# KiCad board ciaa_acc.kicad_pcb (continued)
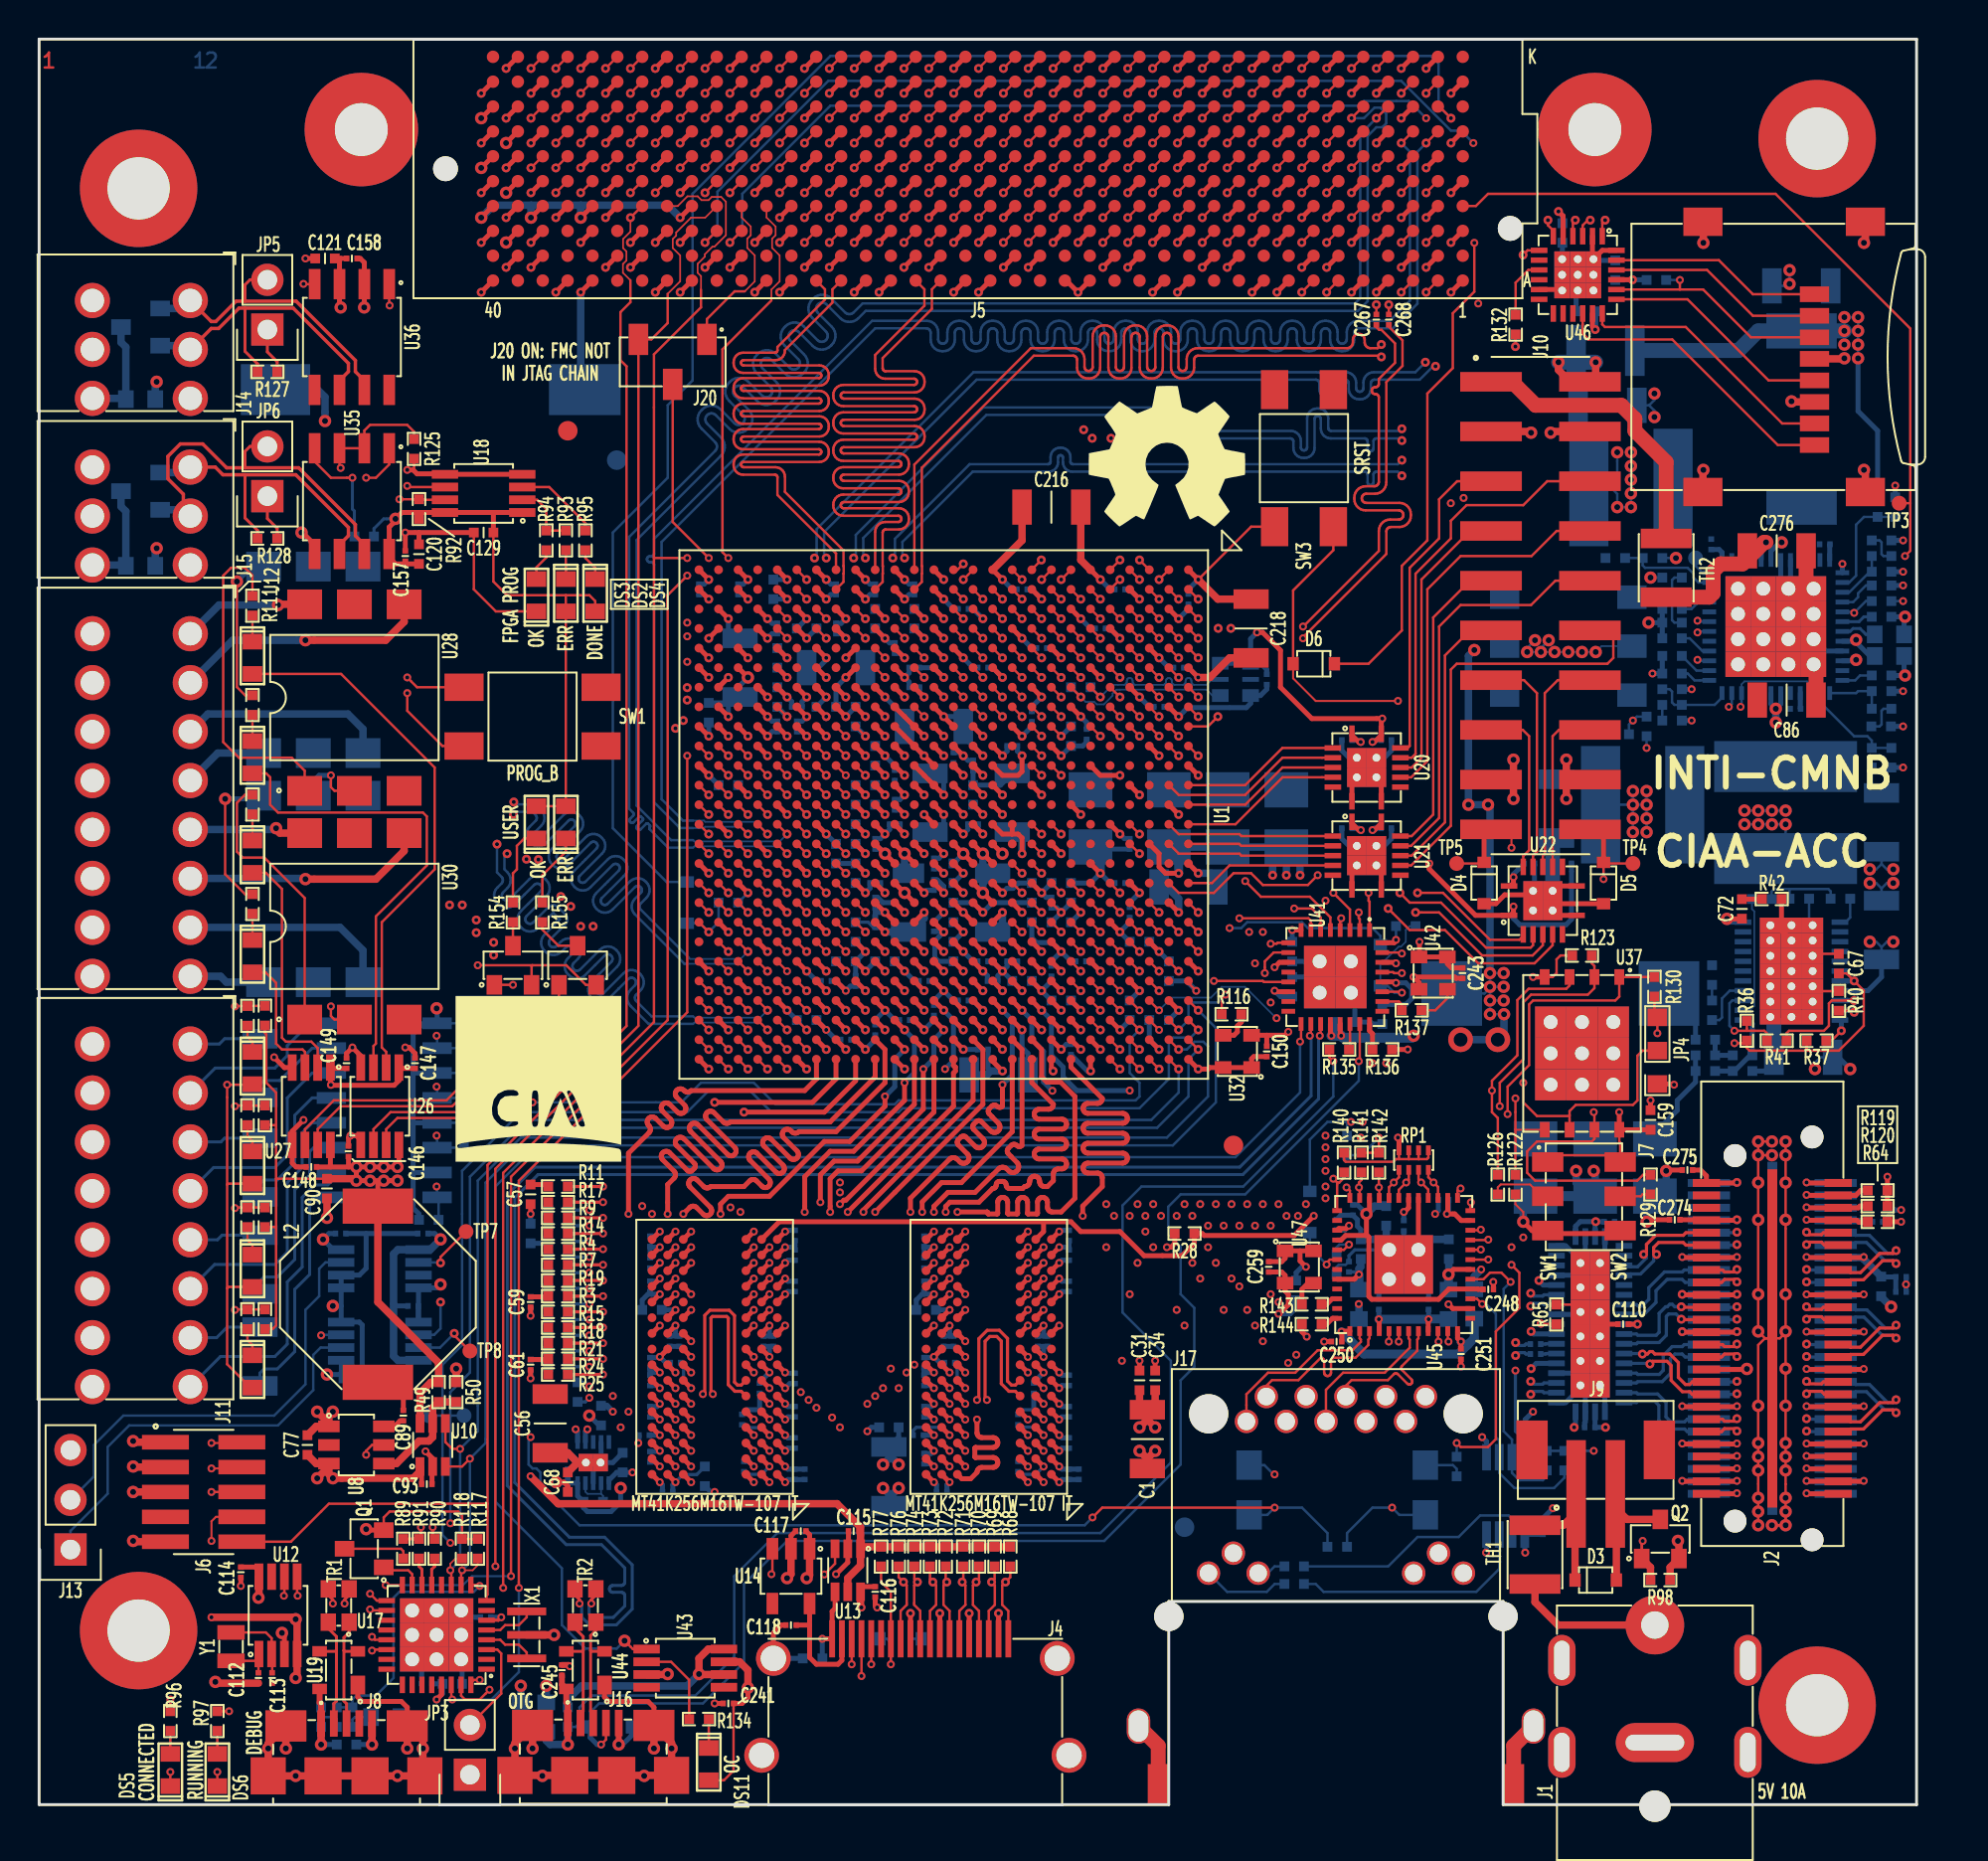
[diagram p0: board, top side]
## Nets (continued)
/Principal/BANKS_HP/FMC_HA_5_P: J5.E6 U1.J11
/Principal/BANKS_HP/FMC_HA_6_N: J5.K11 U1.D8
/Principal/BANKS_HP/FMC_HA_6_P: J5.K10 U1.D9
/Principal/BANKS_HP/FMC_HA_7_N: J5.J10 U1.H8
/Principal/BANKS_HP/FMC_HA_7_P: J5.J9 U1.J8
/Principal/BANKS_HP/FMC_HA_8_N: J5.F11 U1.B9
/Principal/BANKS_HP/FMC_HA_8_P: J5.F10 U1.C9
/Principal/BANKS_HP/FMC_HA_9_N: J5.E10 U1.A10
/Principal/BANKS_HP/FMC_HA_9_P: J5.E9 U1.B10
/Principal/BANKS_HP/FMC_HA_10_N: J5.K14 U1.A7
/Principal/BANKS_HP/FMC_HA_10_P: J5.K13 U1.B7
/Principal/BANKS_HP/FMC_HA_11_N: J5.J13 U1.E8
/Principal/BANKS_HP/FMC_HA_11_P: J5.J12 U1.F9
/Principal/BANKS_HP/FMC_HA_12_N: J5.F14 U1.A8
/Principal/BANKS_HP/FMC_HA_12_P: J5.F13 U1.A9
/Principal/BANKS_HP/FMC_HA_13_N: J5.E13 U1.J9
/Principal/BANKS_HP/FMC_HA_13_P: J5.E12 U1.J10
/Principal/BANKS_HP/FMC_HA_14_N: J5.J16 U1.A5
/Principal/BANKS_HP/FMC_HA_14_P: J5.J15 U1.B6
/Principal/BANKS_HP/FMC_HA_15_N: J5.F17 U1.L8
/Principal/BANKS_HP/FMC_HA_15_P: J5.F16 U1.M8
/Principal/BANKS_HP/FMC_HA_16_N: J5.E16 U1.K7
/Principal/BANKS_HP/FMC_HA_16_P: J5.E15 U1.K8
/Principal/BANKS_HP/FMC_HA_17_N: J5.K17 U1.L4
/Principal/BANKS_HP/FMC_HA_17_P: J5.K16 U1.L5
/Principal/BANKS_HP/FMC_HA_18_N: J5.J19 U1.B4
/Principal/BANKS_HP/FMC_HA_18_P: J5.J18 U1.B5
/Principal/BANKS_HP/FMC_HA_19_N: J5.F20 U1.A3
/Principal/BANKS_HP/FMC_HA_19_P: J5.F19 U1.A4
/Principal/BANKS_HP/FMC_HA_20_N: J5.E19 U1.A2
/Principal/BANKS_HP/FMC_HA_20_P: J5.E18 U1.B2
/Principal/BANKS_HP/FMC_HA_21_N: J5.K20 U1.C3
/Principal/BANKS_HP/FMC_HA_21_P: J5.K19 U1.C4
/Principal/BANKS_HP/FMC_HA_22_N: J5.J22 U1.D3
/Principal/BANKS_HP/FMC_HA_22_P: J5.J21 U1.D4
/Principal/BANKS_HP/FMC_HA_23_N: J5.K23 U1.D5
/Principal/BANKS_HP/FMC_HA_23_P: J5.K22 U1.E6
/Principal/BANKS_HP/FMC_HB_0_N: J5.K26 U1.E7
/Principal/BANKS_HP/FMC_HB_0_P: J5.K25 U1.F8
/Principal/BANKS_HP/FMC_HB_1_N: J5.J25 U1.E5
/Principal/BANKS_HP/FMC_HB_1_P: J5.J24 U1.F5
/Principal/BANKS_HP/FMC_HB_2_N: J5.F23 U1.C1
/Principal/BANKS_HP/FMC_HB_2_P: J5.F22 U1.D1
/Principal/BANKS_HP/FMC_HB_3_N: J5.E22 U1.B1
/Principal/BANKS_HP/FMC_HB_3_P: J5.E21 U1.C2
/Principal/BANKS_HP/FMC_HB_4_N: J5.F26 U1.G5
/Principal/BANKS_HP/FMC_HB_4_P: J5.F25 U1.G6
/Principal/BANKS_HP/FMC_HB_5_N: J5.E25 U1.E3
/Principal/BANKS_HP/FMC_HB_5_P: J5.E24 U1.F3
/Principal/BANKS_HP/FMC_HB_6_N: J5.K29 U1.J3
/Principal/BANKS_HP/FMC_HB_6_P: J5.K28 U1.J4
/Principal/BANKS_HP/FMC_HB_7_N: J5.J28 U1.H6
/Principal/BANKS_HP/FMC_HB_7_P: J5.J27 U1.H7
/Principal/BANKS_HP/FMC_HB_8_N: J5.F29 U1.G1
/Principal/BANKS_HP/FMC_HB_8_P: J5.F28 U1.H2
/Principal/BANKS_HP/FMC_HB_9_N: J5.E28 U1.H3
/Principal/BANKS_HP/FMC_HB_9_P: J5.E27 U1.H4
/Principal/BANKS_HP/FMC_HB_10_N: J5.K32 U1.L7
/Principal/BANKS_HP/FMC_HB_10_P: J5.K31 U1.M7
/Principal/BANKS_HP/FMC_HB_11_N: J5.J31 U1.J6
/Principal/BANKS_HP/FMC_HB_11_P: J5.J30 U1.K6
/Principal/BANKS_HP/FMC_HB_12_N: J5.F32 U1.K1
/Principal/BANKS_HP/FMC_HB_12_P: J5.F31 U1.K2
/Principal/BANKS_HP/FMC_HB_13_N: J5.E31 U1.H1
/Principal/BANKS_HP/FMC_HB_13_P: J5.E30 U1.J1
/Principal/BANKS_HP/FMC_HB_14_N: J5.K35 U1.N2
/Principal/BANKS_HP/FMC_HB_14_P: J5.K34 U1.N3
/Principal/BANKS_HP/FMC_HB_15_N: J5.J34 U1.L2
/Principal/BANKS_HP/FMC_HB_15_P: J5.J33 U1.M2
/Principal/BANKS_HP/FMC_HB_16_N: J5.F35 U1.J5
/Principal/BANKS_HP/FMC_HB_16_P: J5.F34 U1.K5
/Principal/BANKS_HP/FMC_HB_17_N: J5.K38 U1.M5
/Principal/BANKS_HP/FMC_HB_17_P: J5.K37 U1.M6
/Principal/BANKS_HP/FMC_HB_18_N: J5.J37 U1.M4
/Principal/BANKS_HP/FMC_HB_18_P: J5.J36 U1.N4
/Principal/BANKS_HP/FMC_HB_19_N: J5.E34 U1.K3
/Principal/BANKS_HP/FMC_HB_19_P: J5.E33 U1.L3
/Principal/BANKS_HP/FMC_HB_20_N: J5.F38 U1.N6
/Principal/BANKS_HP/FMC_HB_20_P: J5.F37 U1.N7
/Principal/BANKS_HP/FMC_HB_21_N: J5.E37 U1.M1
/Principal/BANKS_HP/FMC_HB_21_P: J5.E36 U1.N1
/Principal/BANKS_HP/GPIO0: U1.A12 U20.2
/Principal/BANKS_HP/GPIO1: U1.B12 U20.3
/Principal/BANKS_HP/GPIO2: U1.A13 U20.4
/Principal/BANKS_HP/GPIO3: U1.A14 U20.5
/Principal/BANKS_HP/GPIO4: U1.B14 U21.2
/Principal/BANKS_HP/GPIO5: U1.A15 U21.3
/Principal/BANKS_HP/GPIO6: U1.B15 U21.4
/Principal/BANKS_HP/GPIO7: U1.A17 U21.5
/Principal/BANKS_HP/SYSCLK_N: R153.1 U1.F7 U49.5
/Principal/BANKS_HP/SYSCLK_P: R153.2 U1.G7 U49.4
/Principal/BANKS_HP/VADJ_EN: R43.1 U1.J15
/Principal/BANKS_HR/CAN_RX: U1.AE22 U36.4
/Principal/BANKS_HR/CAN_TX: U1.AF22 U36.1
/Principal/BANKS_HR/DIN0: C138.2 R103.2 R107.1 U1.AD24 U23.10
/Principal/BANKS_HR/DIN1: C139.2 R104.2 R108.1 U1.AF25 U23.12
/Principal/BANKS_HR/DIN2: C140.2 R105.2 R109.1 U1.AD23 U23.14
/Principal/BANKS_HR/DIN3: C141.2 R106.2 R110.1 U1.AF24 U23.16
/Principal/BANKS_HR/DOUT0: U1.AD26 U26.7
/Principal/BANKS_HR/DOUT1: U1.AE26 U26.6
/Principal/BANKS_HR/DOUT2: U1.AD25 U27.7
/Principal/BANKS_HR/DOUT3: U1.AE25 U27.6
/Principal/BANKS_HR/FMC_CLK0_C2M_N: J5.G3 U1.AD14
/Principal/BANKS_HR/FMC_CLK0_C2M_P: J5.G2 U1.AC14
/Principal/BANKS_HR/FMC_CLK0_M2C_N: J5.H5 U1.AB14
/Principal/BANKS_HR/FMC_CLK0_M2C_P: J5.H4 U1.AB15
/Principal/BANKS_HR/FMC_LA_0_N: J5.G7 U1.AD11
/Principal/BANKS_HR/FMC_LA_0_P: J5.G6 U1.AC12
/Principal/BANKS_HR/FMC_LA_1_N: J5.D9 U1.AD13
/Principal/BANKS_HR/FMC_LA_1_P: J5.D8 U1.AC13
/Principal/BANKS_HR/FMC_LA_2_N: J5.H8 U1.AA10
/Principal/BANKS_HR/FMC_LA_2_P: J5.H7 U1.Y10
/Principal/BANKS_HR/FMC_LA_3_N: J5.G10 U1.AB10
/Principal/BANKS_HR/FMC_LA_3_P: J5.G9 U1.AB11
/Principal/BANKS_HR/FMC_LA_4_N: J5.H11 U1.Y11
/Principal/BANKS_HR/FMC_LA_4_P: J5.H10 U1.Y12
/Principal/BANKS_HR/FMC_LA_5_N: J5.D12 U1.AF10
/Principal/BANKS_HR/FMC_LA_5_P: J5.D11 U1.AE11
/Principal/BANKS_HR/FMC_LA_6_N: J5.C11 U1.AD10
/Principal/BANKS_HR/FMC_LA_6_P: J5.C10 U1.AE10
/Principal/BANKS_HR/FMC_LA_7_N: J5.H14 U1.Y13
/Principal/BANKS_HR/FMC_LA_7_P: J5.H13 U1.W13
/Principal/BANKS_HR/FMC_LA_8_N: J5.G13 U1.AA12
/Principal/BANKS_HR/FMC_LA_8_P: J5.G12 U1.AA13
/Principal/BANKS_HR/FMC_LA_9_N: J5.D15 U1.AC11
/Principal/BANKS_HR/FMC_LA_9_P: J5.D14 U1.AB12
/Principal/BANKS_HR/FMC_LA_10_N: J5.C15 U1.AA14
/Principal/BANKS_HR/FMC_LA_10_P: J5.C14 U1.AA15
/Principal/BANKS_HR/FMC_LA_11_N: J5.H17 U1.AA17
/Principal/BANKS_HR/FMC_LA_11_P: J5.H16 U1.Y17
/Principal/BANKS_HR/FMC_LA_12_N: J5.G16 U1.W15
/Principal/BANKS_HR/FMC_LA_12_P: J5.G15 U1.W16
/Principal/BANKS_HR/FMC_LA_13_N: J5.D18 U1.AF12
/Principal/BANKS_HR/FMC_LA_13_P: J5.D17 U1.AE12
/Principal/BANKS_HR/FMC_LA_14_N: J5.C19 U1.AF13
/Principal/BANKS_HR/FMC_LA_14_P: J5.C18 U1.AE13
/Principal/BANKS_HR/FMC_LA_15_N: J5.H20 U1.W19
/Principal/BANKS_HR/FMC_LA_15_P: J5.H19 U1.W18
/Principal/BANKS_HR/FMC_LA_16_N: J5.G19 U1.AA18
/Principal/BANKS_HR/FMC_LA_16_P: J5.G18 U1.Y18
/Principal/BANKS_HR/FMC_LA_17_N: J5.D21 U1.AD21
/Principal/BANKS_HR/FMC_LA_17_P: J5.D20 U1.AD20
/Principal/BANKS_HR/FMC_LA_18_N: J5.C23 U1.AC24
/Principal/BANKS_HR/FMC_LA_18_P: J5.C22 U1.AC23
/Principal/BANKS_HR/FMC_LA_19_N: J5.H23 U1.Y15
/Principal/BANKS_HR/FMC_LA_19_P: J5.H22 U1.Y16
/Principal/BANKS_HR/FMC_LA_20_N: J5.G22 U1.AF14
/Principal/BANKS_HR/FMC_LA_20_P: J5.G21 U1.AF15
/Principal/BANKS_HR/FMC_LA_21_N: J5.H26 U1.AE21
/Principal/BANKS_HR/FMC_LA_21_P: J5.H25 U1.AE20
/Principal/BANKS_HR/FMC_LA_22_N: J5.G25 U1.Y20
/Principal/BANKS_HR/FMC_LA_22_P: J5.G24 U1.W20
/Principal/BANKS_HR/FMC_LA_23_N: J5.D24 U1.AB16
/Principal/BANKS_HR/FMC_LA_23_P: J5.D23 U1.AB17
/Principal/BANKS_HR/FMC_LA_24_N: J5.H29 U1.AB19
/Principal/BANKS_HR/FMC_LA_24_P: J5.H28 U1.AA19
/Principal/BANKS_HR/FMC_LA_25_N: J5.G28 U1.AC16
/Principal/BANKS_HR/FMC_LA_25_P: J5.G27 U1.AC17
/Principal/BANKS_HR/FMC_LA_26_N: J5.D27 U1.AC22
/Principal/BANKS_HR/FMC_LA_26_P: J5.D26 U1.AC21
/Principal/BANKS_HR/FMC_LA_27_N: J5.C27 U1.AF18
/Principal/BANKS_HR/FMC_LA_27_P: J5.C26 U1.AE18
/Principal/BANKS_HR/FMC_LA_28_N: J5.H32 U1.AE15
/Principal/BANKS_HR/FMC_LA_28_P: J5.H31 U1.AE16
/Principal/BANKS_HR/FMC_LA_29_N: J5.G31 U1.AB20
/Principal/BANKS_HR/FMC_LA_29_P: J5.G30 U1.AA20
/Principal/BANKS_HR/FMC_LA_30_N: J5.H35 U1.AD15
/Principal/BANKS_HR/FMC_LA_30_P: J5.H34 U1.AD16
/Principal/BANKS_HR/FMC_LA_31_N: J5.G34 U1.AD19
/Principal/BANKS_HR/FMC_LA_31_P: J5.G33 U1.AD18
/Principal/BANKS_HR/FMC_LA_32_N: J5.H38 U1.AC19
/Principal/BANKS_HR/FMC_LA_32_P: J5.H37 U1.AC18
/Principal/BANKS_HR/FMC_LA_33_N: J5.G37 U1.AF17
/Principal/BANKS_HR/FMC_LA_33_P: J5.G36 U1.AE17
/Principal/BANKS_HR/FMC_PRSNT: D2.1 R79.2 U1.AF19
/Principal/BANKS_HR/HDMI_CEC: D1.2 J4.13 R77.1 U1.AB21
/Principal/BANKS_HR/HDMI_HPD: U1.AB22 U13.3
/Principal/BANKS_HR/HDMI_OUT_EN: U1.AF23 U14.3
/Principal/BANKS_HR/LED_ERR: Q4.1 U1.W17
/Principal/BANKS_HR/LED_OK: Q3.1 U1.W14
/Principal/BANKS_HR/MGTREFCLK1_B_N: C267.1 J5.D5
/Principal/BANKS_HR/MGTREFCLK1_B_P: C268.1 J5.D4
/Principal/BANKS_HR/MGTREFCLK1_N: C267.2 U1.R5
/Principal/BANKS_HR/MGTREFCLK1_P: C268.2 U1.R6
/Principal/BANKS_HR/RS485_ENA: U1.V18 U33.6
/Principal/BANKS_HR/TMDS_CLK_N: J4.12 R76.2 U1.AA23
/Principal/BANKS_HR/TMDS_CLK_P: J4.10 R74.2 U1.AA22
/Principal/BANKS_HR/TMDS_D0_N: J4.9 R73.2 U1.AB24
/Principal/BANKS_HR/TMDS_D0_P: J4.7 R72.2 U1.AA24
/Principal/BANKS_HR/TMDS_D1_N: J4.6 R71.2 U1.AB25
/Principal/BANKS_HR/TMDS_D1_P: J4.4 R70.2 U1.AA25
/Principal/BANKS_HR/TMDS_D2_N: J4.3 R69.2 U1.AC26
/Principal/BANKS_HR/TMDS_D2_P: J4.1 R68.2 U1.AB26
/Principal/BANKS_HR/UART_EMIO_RX: TP7.1 U1.V19 U34.2
/Principal/BANKS_HR/UART_EMIO_TX: TP8.1 U1.AE23 U33.7
/Principal/Expansion/GPIO0_B: J10.5 U20.13
/Principal/Expansion/GPIO1_B: J10.6 U20.12
/Principal/Expansion/GPIO2_B: J10.7 U20.11
/Principal/Expansion/GPIO3_B: J10.8 U20.10
/Principal/Expansion/GPIO4_B: J10.9 U21.13
/Principal/Expansion/GPIO5_B: J10.10 U21.12
/Principal/Expansion/GPIO6_B: J10.11 U21.11
/Principal/Expansion/GPIO7_B: J10.12 U21.10
/Principal/Expansion/SPI_CLK_B: J10.14 U22.11
/Principal/Expansion/SPI_CS_B: J10.16 U22.10
/Principal/Expansion/SPI_MISO_B: J10.15 U22.13
/Principal/Expansion/SPI_MOSI_B: J10.13 U22.12
/Principal/OneBank/BTM_0CK_N: J3.38 U11.28
/Principal/OneBank/BTM_0CK_P: J3.36 U11.29
/Principal/OneBank/BTM_0RX_N: J3.26 U11.35
/Principal/OneBank/BTM_0RX_P: J3.24 U11.36
/Principal/OneBank/BTM_0TX_N: J3.14 U11.37
/Principal/OneBank/BTM_0TX_P: J3.12 U11.38
/Principal/OneBank/BTM_1CK_N: J2.38 J3.37
/Principal/OneBank/BTM_1CK_P: J2.36 J3.35
/Principal/OneBank/BTM_1RX_N: J2.26 J3.25
/Principal/OneBank/BTM_1RX_P: J2.24 J3.23
/Principal/OneBank/BTM_1TX_N: J2.14 J3.13
/Principal/OneBank/BTM_1TX_P: J2.12 J3.11
/Principal/OneBank/BTM_2CK_N: J2.37 J3.43
/Principal/OneBank/BTM_2CK_P: J2.35 J3.41
/Principal/OneBank/BTM_2RX_N: J2.25 J3.31
/Principal/OneBank/BTM_2RX_P: J2.23 J3.29
/Principal/OneBank/BTM_2TX_N: J2.13 J3.19
/Principal/OneBank/BTM_2TX_P: J2.11 J3.17
/Principal/OneBank/BTM_3CK_N: J2.43 J3.44
/Principal/OneBank/BTM_3CK_P: J2.41 J3.42
/Principal/OneBank/BTM_3RX_N: J2.31 J3.32
/Principal/OneBank/BTM_3RX_P: J2.29 J3.30
/Principal/OneBank/BTM_3TX_N: J2.19 J3.20
/Principal/OneBank/BTM_3TX_P: J2.17 J3.18
/Principal/OneBank/MGTXTX0_B_N: C108.2 U11.7
/Principal/OneBank/MGTXTX0_B_P: C107.2 U11.6
/Principal/OneBank/OB_3V3: J2.3 J2.4 J3.3 J3.4
/Principal/OneBank/OB_ALERT: J2.51 J3.51
/Principal/OneBank/OB_DIR: C273.1 J2.45 J3.45 R64.2
/Principal/OneBank/OB_PE_RST: J2.2 J3.2
/Principal/OneBank/OB_PG: C274.1 J2.46 J3.46
/Principal/OneBank/OB_PSON: C275.1 J2.52 J3.52
/Principal/OneBank/OB_USB0_N: J2.8 J3.8
/Principal/OneBank/OB_USB0_P: J2.6 J3.6
/Principal/OneBank/OB_USB1_N: J2.7 J3.7
/Principal/OneBank/OB_USB1_P: J2.5 J3.5
/Principal/OneBank/OB_USB_OC: J2.1 J3.1
/Principal/OneBank/TOP_3CK_N: J2.44 U11.24
/Principal/OneBank/TOP_3CK_P: J2.42 U11.25
/Principal/OneBank/TOP_3RX_N: J2.32 U11.31
/Principal/OneBank/TOP_3RX_P: J2.30 U11.32
/Principal/OneBank/TOP_3TX_N: J2.20 U11.33
/Principal/OneBank/TOP_3TX_P: J2.18 U11.34
/Principal/RTC-HDMI/VOUT_HDMI: C118.2 J4.18 U14.5
DDR_VTT: C55.2 C56.2 C57.2 C58.2 C59.2 C60.2 C61.1 C62.1 C70.2 R3.1 R4.1 R5.1 R6.1 R7.1 R8.1 R9.1 R10.1 R11.1 R12.1 R13.1 R14.1 R15.1 R16.1 R17.1 R18.1 R19.1 R20.1 R21.1 R22.1 R23.1 R24.1 R25.1 R26.1 U4.3 U4.5
VTT_REF: C63.2 C64.2 C71.2 C223.1 C225.1 U1.K21 U1.M21 U2.H1 U2.M8 U3.H1 U3.M8 U4.6
Net-(BT1-Pad1): BT1.1 U12.3
Net-(C67-Pad2): C67.2 R36.2 R37.2 U5.18
Net-(C72-Pad1): C72.1 C73.1 L1.1 R39.1 U5.6 U5.7 U5.8 U5.9 U5.10 U5.11
Net-(C72-Pad2): C72.2 R42.1
Net-(C73-Pad2): C73.2 R38.2
Net-(C74-Pad1): C74.1 C75.1 R39.2
Net-(C75-Pad2): C75.2 R44.1 R45.2 U5.1
Net-(C84-Pad1): C84.1 U9.45
Net-(C85-Pad2): C85.2 U9.24
Net-(C87-Pad2): C87.2 R47.1
Net-(C88-Pad2): C88.2 R48.1
Net-(C89-Pad1): C89.1 U8.6
Net-(C89-Pad2): C89.2 L2.1 U8.2
Net-(C91-Pad2): C91.2 R47.2 U9.46
Net-(C92-Pad2): C92.2 R48.2 U9.25
Net-(C94-Pad1): C94.1 U9.1
Net-(C94-Pad2): C94.2 L3.1 U9.2 U9.3 U9.4
Net-(C95-Pad1): C95.1 U9.28
Net-(C95-Pad2): C95.2 L4.1 U9.29
Net-(C96-Pad2): C96.2 U9.18
Net-(C97-Pad2): C97.2 U9.16
Net-(C98-Pad2): C98.2 U9.37
Net-(C99-Pad2): C99.2 U9.19
Net-(C100-Pad2): C100.2 R55.1
Net-(C101-Pad2): C101.2 R56.1
Net-(C103-Pad2): C103.2 R55.2 U9.15
Net-(C104-Pad2): C104.2 R56.2 U9.36
Net-(C105-Pad1): C105.1 U9.12
Net-(C105-Pad2): C105.2 L5.1 U9.9 U9.10 U9.11
Net-(C106-Pad1): C106.1 U9.33
Net-(C106-Pad2): C106.2 L6.1 U9.32
Net-(C112-Pad2): C112.2 U12.1 Y1.1
Net-(C113-Pad2): C113.2 U12.2 Y1.2
Net-(C122-Pad2): C122.2 FB7.1 U1.M18
Net-(C242-Pad1): C242.1 R138.2 R139.1 U1.H18
Net-(C269-Pad1): C269.1 C270.1 J2.39 J2.40 J3.39 J3.40 R66.1
Net-(D2-Pad2): D2.2 J5.H2
Net-(D3-Pad1): D3.1 J9.2 Q2.3
Net-(D3-Pad2): D3.2 J9.1 TH1.1
Net-(D6-Pad1): D6.1 R131.1 SW3.3 U1.A22
Net-(D7-Pad1): D7.1 R133.1 U41.27
Net-(D9-Pad1): D9.1 U45.42
Net-(DS2-Pad2): DS2.2 R93.1
Net-(DS3-Pad1): DS3.1 R94.1
Net-(DS4-Pad2): DS4.2 R95.1
Net-(DS5-Pad1): DS5.1 R96.1
Net-(DS6-Pad1): DS6.1 R97.1
Net-(DS7-Pad2): DS7.2 R103.1
Net-(DS8-Pad2): DS8.2 R104.1
Net-(DS9-Pad2): DS9.2 R105.1
Net-(DS10-Pad2): DS10.2 R106.1
Net-(DS11-Pad2): DS11.2 R134.2
Net-(DS12-Pad2): DS12.2 R154.2
Net-(DS13-Pad2): DS13.2 R155.1
Net-(DS14-Pad1): DS14.1 U26.2
Net-(DS14-Pad2): DS14.2 R111.1
Net-(DS15-Pad1): DS15.1 U26.3
Net-(DS15-Pad2): DS15.2 R112.1
Net-(DS16-Pad1): DS16.1 U27.2
Net-(DS16-Pad2): DS16.2 R113.1
Net-(DS17-Pad1): DS17.1 U27.3
Net-(DS17-Pad2): DS17.2 R114.1
Net-(F1-Pad1): F1.1
Net-(F2-Pad1): F2.1
Net-(F3-Pad1): F3.1
Net-(F4-Pad1): F4.1
Net-(FB5-Pad2): FB5.2 J14.3 U39.3
Net-(FB6-Pad2): FB6.2 J15.3 U40.3
Net-(FB8-Pad1): FB8.1 U43.6 U43.8
Net-(H1-Pad1): H1.1
Net-(H2-Pad1): H2.1
Net-(H3-Pad1): H3.1
Net-(H4-Pad1): H4.1
Net-(J2-Pad48): J2.48
Net-(J2-Pad50): J2.50
Net-(J3-Pad48): J3.48
Net-(J3-Pad50): J3.50
Net-(J4-Pad14): J4.14
Net-(J4-Pad19): J4.19 R75.1 U13.4
Net-(J5-PadA10): J5.A10
Net-(J5-PadA11): J5.A11
Net-(J5-PadA14): J5.A14
Net-(J5-PadA15): J5.A15
Net-(J5-PadA18): J5.A18
Net-(J5-PadA19): J5.A19
Net-(J5-PadA30): J5.A30
Net-(J5-PadA31): J5.A31
Net-(J5-PadA34): J5.A34
Net-(J5-PadA35): J5.A35
Net-(J5-PadA38): J5.A38
Net-(J5-PadA39): J5.A39
Net-(J5-PadB1): J5.B1
Net-(J5-PadB4): J5.B4
Net-(J5-PadB5): J5.B5
Net-(J5-PadB8): J5.B8
Net-(J5-PadB9): J5.B9
Net-(J5-PadB12): J5.B12
Net-(J5-PadB13): J5.B13
Net-(J5-PadB16): J5.B16
Net-(J5-PadB17): J5.B17
Net-(J5-PadB20): J5.B20
Net-(J5-PadB21): J5.B21
Net-(J5-PadB24): J5.B24
Net-(J5-PadB25): J5.B25
Net-(J5-PadB28): J5.B28
Net-(J5-PadB29): J5.B29
Net-(J5-PadB32): J5.B32
Net-(J5-PadB33): J5.B33
Net-(J5-PadB36): J5.B36
Net-(J5-PadB37): J5.B37
Net-(J5-PadB40): J5.B40
Net-(J5-PadC35): J5.C35
Net-(J5-PadC37): J5.C37
Net-(J5-PadF1): J5.F1
Net-(J5-PadH1): J5.H1
Net-(J5-PadJ39): J5.J39
Net-(J5-PadK1): J5.K1
Net-(J5-PadK40): J5.K40
Net-(J6-Pad7): J6.7
Net-(J7-Pad2): J7.2 R126.1
Net-(J7-Pad5): J7.5 R129.2
Net-(J8-Pad4): J8.4
Net-(J10-Pad1): J10.1 TH2.2
Net-(J10-Pad2): J10.2 TH3.2
Net-(J11-Pad1): J11.1 R99.2
Net-(J11-Pad2): J11.2 U23.8
Net-(J11-Pad3): J11.3 R100.2
Net-(J11-Pad4): J11.4 U23.6
Net-(J11-Pad5): J11.5 R101.2
Net-(J11-Pad6): J11.6 U23.4
Net-(J11-Pad7): J11.7 R102.2
Net-(J11-Pad8): J11.8 U23.2
Net-(J12-Pad1): J12.1 U28.6
Net-(J12-Pad2): J12.2 U28.4
Net-(J12-Pad3): J12.3 U29.4
Net-(J12-Pad4): J12.4 U29.6
Net-(J12-Pad5): J12.5 U30.6
Net-(J12-Pad6): J12.6 U30.4
Net-(J12-Pad7): J12.7 U31.4
Net-(J12-Pad8): J12.8 U31.6
Net-(J17-Pad9): J17.9
Net-(J17-Pad11): J17.11 R150.2
Net-(J17-Pad13): J17.13 R151.2
Net-(J17-Pad14): J17.14
Net-(J17-Pad15): J17.15
Net-(J18-Pad1): J18.1 U46.23
Net-(J18-Pad2): J18.2 U46.22
Net-(J18-Pad3): J18.3 R149.2 U46.20
Net-(J18-Pad5): J18.5 U46.19
Net-(J18-Pad7): J18.7 U46.18
Net-(J18-Pad8): J18.8 U46.16
Net-(J20-Pad1): J5.D30 J20.1
Net-(J20-Pad2): J20.2 U1.W10
Net-(JP3-Pad2): JP3.2 U17.3
Net-(JP5-Pad1): JP5.1 R127.1
Net-(JP6-Pad1): JP6.1 R128.2
Net-(Q1-Pad1): Q1.1 U17.15
Net-(Q1-Pad3): Q1.3 R89.1
Net-(Q3-Pad3): Q3.3 R154.1
Net-(Q4-Pad3): Q4.3 R155.2
Net-(R1-Pad1): R1.1 U1.V21
Net-(R2-Pad1): R2.1 U1.W21
Net-(R29-Pad1): R29.1 U2.L8
Net-(R30-Pad1): R30.1 U3.L8
Net-(R31-Pad1): R31.1 U4.7 U4.9
Net-(R33-Pad2): R33.2 R34.1 R35.1
Net-(R35-Pad2): R35.2 U5.2
Net-(R36-Pad1): R36.1 R41.1 U5.3
Net-(R37-Pad1): R37.1 U5.22
Net-(R38-Pad1): R38.1 U5.4
Net-(R40-Pad1): R40.1 U5.21
Net-(R41-Pad2): R41.2 U5.20
Net-(R43-Pad2): R43.2 U7.1
Net-(R46-Pad1): R46.1 U7.3 U8.5
Net-(R49-Pad2): R49.2 R50.2 U8.4 U10.5
Net-(R51-Pad2): R51.2 R52.1 U9.47
Net-(R53-Pad2): R53.2 R54.1 U9.26
Net-(R58-Pad1): R58.1 U9.40
Net-(R59-Pad2): R59.2 U9.38
Net-(R60-Pad2): R60.2 R61.1 U9.14
Net-(R62-Pad2): R62.2 R63.1 U9.35
Net-(R64-Pad1): R64.1 R65.1 U11.9
Net-(R80-Pad1): R80.1 SW1.3 U1.V9
Net-(R90-Pad2): R90.2 U17.13
Net-(R91-Pad2): R91.2 U17.14
Net-(R93-Pad2): R93.2 R94.2 U18.2
Net-(R95-Pad2): R95.2 U18.3
Net-(R99-Pad1): R99.1 U23.7
Net-(R100-Pad1): R100.1 U23.5
Net-(R101-Pad1): R101.1 U23.3
Net-(R102-Pad1): R102.1 U23.1
Net-(R111-Pad2): R111.2 U28.1
Net-(R112-Pad2): R112.2 U29.1
Net-(R113-Pad2): R113.2 U30.1
Net-(R114-Pad2): R114.2 U31.1
Net-(R115-Pad2): R115.2 U1.AB8
Net-(R116-Pad1): R116.1 U32.3
Net-(R116-Pad2): R116.2 U1.B24
Net-(R132-Pad2): R132.2 U1.C22
Net-(R134-Pad1): R134.1 U43.2
Net-(R135-Pad1): R135.1 U41.22
Net-(R136-Pad1): R136.1 U41.24
Net-(R137-Pad1): R137.1 U41.26
Net-(R137-Pad2): R137.2 U42.3
Net-(R143-Pad1): R143.1 U45.46
Net-(R143-Pad2): R143.2 U47.3
Net-(R144-Pad2): R144.2 U45.48
Net-(R150-Pad1): R150.1 U48.3
Net-(R151-Pad1): R151.1 U48.2
Net-(R152-Pad2): R152.2 U1.H9
Net-(SW1-Pad2): SW1.2
Net-(SW1-Pad4): SW1.4
Net-(SW3-Pad2): SW3.2
Net-(SW3-Pad4): SW3.4
Net-(TP2-Pad1): TP2.1 U9.48
Net-(U1-PadAF20): U1.AF20
Net-(U1-PadB11): U1.B11
Net-(U1-PadB16): U1.B16
Net-(U1-PadB20): U1.B20
Net-(U1-PadB22): U1.B22
Net-(U1-PadC11): U1.C11
Net-(U1-PadC12): U1.C12
Net-(U1-PadC13): U1.C13
Net-(U1-PadC14): U1.C14
Net-(U1-PadC16): U1.C16
Net-(U1-PadC17): U1.C17
Net-(U1-PadD10): U1.D10
Net-(U1-PadD11): U1.D11
Net-(U1-PadD13): U1.D13
Net-(U1-PadD16): U1.D16
Net-(U1-PadE10): U1.E10
Net-(U1-PadE11): U1.E11
Net-(U1-PadE12): U1.E12
Net-(U1-PadE13): U1.E13
Net-(U1-PadE15): U1.E15
Net-(U1-PadE16): U1.E16
Net-(U1-PadF10): U1.F10
Net-(U1-PadF12): U1.F12
Net-(U1-PadF13): U1.F13
Net-(U1-PadF14): U1.F14
Net-(U1-PadF15): U1.F15
Net-(U1-PadG9): U1.G9
Net-(U1-PadG10): U1.G10
Net-(U1-PadG11): U1.G11
Net-(U1-PadG12): U1.G12
Net-(U1-PadG14): U1.G14
Net-(U1-PadG15): U1.G15
Net-(U1-PadG16): U1.G16
Net-(U1-PadH12): U1.H12
Net-(U1-PadH13): U1.H13
Net-(U1-PadH16): U1.H16
Net-(U1-PadJ13): U1.J13
Net-(U1-PadK10): U1.K10
Net-(U1-PadK11): U1.K11
Net-(U1-PadK12): U1.K12
Net-(U1-PadK13): U1.K13
Net-(U1-PadK15): U1.K15
Net-(U1-PadL9): U1.L9
Net-(U1-PadN8): U1.N8
Net-(U1-PadR13): U1.R13
Net-(U1-PadR14): U1.R14
Net-(U2-PadM7): U2.M7
Net-(U3-PadM7): U3.M7
Net-(U5-Pad5): U5.5
Net-(U9-Pad23): U9.23
Net-(U9-Pad41): U9.41
Net-(U9-Pad44): U9.44
Net-(U11-Pad15): U11.15
Net-(U11-Pad16): U11.16
Net-(U11-Pad22): U11.22
Net-(U11-Pad23): U11.23
Net-(U11-Pad26): U11.26
Net-(U11-Pad27): U11.27
Net-(U12-Pad7): U12.7
Net-(U14-Pad4): U14.4
Net-(U17-Pad1): U17.1
Net-(U17-Pad2): U17.2
Net-(U17-Pad4): U17.4 X1.1
Net-(U17-Pad5): U17.5 X1.2
Net-(U17-Pad7): U17.7
Net-(U17-Pad12): U17.12
Net-(U17-Pad19): U17.19
Net-(U17-Pad20): U17.20
Net-(U17-Pad23): U17.23
Net-(U17-Pad24): U17.24
Net-(U17-Pad25): U17.25
Net-(U17-Pad26): U17.26
Net-(U17-Pad27): U17.27
Net-(U17-Pad28): U17.28
Net-(U20-Pad6): U20.6
Net-(U20-Pad9): U20.9
Net-(U21-Pad6): U21.6
Net-(U21-Pad9): U21.9
Net-(U22-Pad6): U22.6
Net-(U22-Pad9): U22.9
Net-(U28-Pad5): U28.5
Net-(U29-Pad5): U29.5
Net-(U30-Pad5): U30.5
Net-(U31-Pad5): U31.5
Net-(U34-Pad3): U34.3
Net-(U36-Pad5): U36.5
Net-(U36-Pad8): U36.8
Net-(U41-Pad12): U41.12
Net-(U41-Pad15): U41.15
Net-(U41-Pad16): U41.16
Net-(U41-Pad17): U41.17 U43.1
Net-(U41-Pad25): U41.25
Net-(U43-Pad4): U43.4
Net-(U43-Pad5): U43.5
Net-(U45-Pad13): U45.13
Net-(U45-Pad38): U45.38
Net-(U45-Pad43): U45.43
Net-(U45-Pad45): U45.45
Net-(U45-Pad47): U45.47
Net-(U46-Pad8): U46.8
Net-(U46-Pad10): U46.10
Net-(U46-Pad12): U46.12
Net-(U46-Pad13): U46.13
Net-(U46-Pad14): U46.14
Net-(U46-Pad15): U46.15
Net-(U49-Pad2): U49.2

Pads without a net: J5 41; J9 3; J17 16; U1 AA5 AA6 AC1 AC2 AC5 AC6 AD3 AD4 AD7 AD8 AE1 AE2 AE5 AE6 AF3 AF4 AF7 AF8 W5 W6; U2 J1 J9 L1 L9; U3 J1 J9 L1 L9; U28 3; U29 3; U30 3; U31 3

## Via types
v1: diameter 0.406, hole 0.203, TOP_L1.Sig to BOT_L12.Sig, 625 vias
v2: diameter 0.457, hole 0.203, TOP_L1.Sig to BOT_L12.Sig, 1025 vias
v3: diameter 0.635, hole 0.305, TOP_L1.Sig to BOT_L12.Sig, 223 vias
v4: diameter 1.27, hole 0.711, TOP_L1.Sig to BOT_L12.Sig, 2 vias

## Routing (per net, layer and track width the routed paths; a pad name or vN(x,y) marks a point on that pad's centre or on a via; arc(x,y) is an arc through that point)
+1.0V: length 89.1
  TOP_L1.Sig w0.254: U1.R4 v2(45.2,59.57) ; U1.M16 v3(47.2,48.57) U1.N15 ; U1.R17 v2(45.2,46.57) ; U1.T6 v2(44.2,57.57) ; U1.U4 v2(43.2,59.57) ; U1.U11 v2(43.2,52.57) ; U1.M12 v2(48.2,51.57) ; v2(50.2,53.57) 50.2,52.77 50,52.57 49.2,52.57 U1.L11 ; U1.AA8 v2(39.2,55.57) ; U1.V16 v2(42.2,47.57) ; U1.N11 v2(47.2,52.57) ; U1.L17 v2(49.2,46.57) ; U1.N17 v2(47.2,46.57) ; U1.U13 v2(43.2,50.57) ; U1.L13 v2(49.2,50.57) ; U1.R15 v2(45.2,48.57) ; U1.T18 v2(44.2,45.57) ; v2(46.2,51.57) U1.P12 U1.R11 ; U1.T14 v2(44.2,49.57) ; U1.T16 v3(43.2,48.57) U1.U15 ; U1.AD6 v3(36.2,57.57) ; U1.AE8 v2(35.2,55.57) ; U1.AA4 v2(39.2,59.57) ; U1.T12 v2(44.2,51.57) ; U1.L15 v3(49.2,48.57) ; U1.AB6 v2(38.2,57.57) ; U1.Y6 v2(40.2,57.57) ; U1.P16 v2(46.2,47.57) ; U1.U17 v2(43.2,46.57) ; U1.P18 v2(46.2,45.57) ; U1.AC8 v2(37.2,55.57)
  BOT_L12.Sig w0.127: v3(74.1,41.77) v3(74.1,41.07) ; v3(74.1,41.77) v3(74.8,41.77) ; v3(74.1,41.77) 74.1,41.71 73.82,41.43 L1.2 ; v3(74.1,41.77) v3(74.1,42.47) v3(74.8,42.47) ; v3(74.1,41.07) v3(74.8,41.07) ; v3(74.1,41.07) v3(74.1,40.37) v3(74.82,40.37)
  BOT_L12.Sig w0.254: C185.2 U1.N11 v2(47.2,52.57) ; v2(43.2,46.57) 42.97,46.81 C193.2 ; C125.2 U1.V16 v2(42.2,47.57) ; C182.2 v2(39.2,59.57) ; U1.R4 v2(45.2,59.57) ; C74.2 R44.2 84.6,36.9 83.67,35.97 83.67,35.46 82.52,34.32 C78.1 ; U1.U4 v2(43.2,59.57) 43.44,59.34 C164.2 ; v2(49.2,46.57) 49.43,46.8 49.74,46.8 50.01,47.07 C126.2 ; v2(46.2,45.57) 45.77,45.14 C187.2 ; C201.2 45.97,47.81 v2(46.2,47.57) ; C195.2 43.97,49.81 v2(44.2,49.57) ; C198.2 37.44,55.34 v2(37.2,55.57) ; v2(45.2,46.57) 45.33,46.7 C189.2 ; C191.2 44.44,57.8 v2(44.2,57.57) 44.44,57.34 C202.2 ; C168.2 42.97,48.81 v3(43.2,48.57) ; C181.2 49.97,53.81 v2(50.2,53.57) 50.2,53.17 C161.2 49.1,52.07 U1.M12 C176.2 ; v2(35.2,55.57) 35.2,56.17 35.3,56.27 35.5,56.27 ; C177.2 42.83,46.34 43.1,46.07 U1.T18 v2(44.2,45.57) ; v3(36.2,57.57) 35.8,57.17 C167.2 35.5,56.27 ; C179.2 43.97,51.34 v2(44.2,51.57) U1.T12 C172.2 ; v2(39.2,55.57) 38.97,55.34 C183.2 ; C173.2 35.5,56.27 ; U1.AB6 v2(38.2,57.57) ; U1.U11 v2(43.2,52.57) ; v2(46.2,51.57) 46.2,52.37 45.9,52.67 C163.2 ; U1.U13 v2(43.2,50.57) ; C165.2 v3(47.2,48.57)
  BOT_L12.Sig w0.381: v3(74.1,42.47) 74.1,50.97 v3(74,51.07) v3(73,51.07) 73,58.67 v3(73.3,58.97) ; v3(74.82,40.37) 74.82,39.39 v4(74.5,39.07) v4(72.6,39.07)
+1.2V: length 87.7
  TOP_L1.Sig w0.254: U1.W4 v2(41.2,59.57) ; 66.3,29.34 66.38,29.43 66.76,29.43 v1(66.9,29.57) ; U1.AC4 v2(37.2,59.57) ; U45.18 72.24,27.34 v3(71.98,27.08) ; U1.V2 v2(42.2,61.57) ; U1.AF2 v2(34.2,61.57) ; v1(69.7,30.27) 69.73,30.27 69.94,30.48 U45.30 ; U1.AB7 v2(38.2,56.57) ; U1.AF6 v2(34.2,57.57) ; U1.T2 v2(44.2,61.57) ; v1(71.98,25.56) 72.2,25.34 U45.14 ; U1.AE4 v2(34.2,59.57) ; U1.AB2 v2(38.2,61.57) ; U1.Y2 v2(40.2,61.57) ; U45.23 72.63,29.84 72.3,30.17 v1(71.9,30.17) 71.94,30.22 U45.26 ; U1.AD2 v2(36.2,61.57)
  L6.GND w0.381: v1(67.4,25.57) 71.97,25.57 v1(71.98,25.56) v3(71.98,27.08) 71.9,27.16 v1(71.9,30.17) ; v1(69.7,30.27) 69.7,29.38 ; 69.7,29.38 71.79,29.38 71.9,29.27 71.9,28.81 71.98,28.73 ; 69.7,29.38 67.38,29.38 67.19,29.57 v1(66.9,29.57)
  L6.GND w0.762: v3(71.98,27.08) 71.98,28.73 73.33,30.08 74.21,30.08 75.4,31.27 83.16,31.27 87.27,35.38 87.27,49.45 87.1,49.62 v3(87.1,50.07) ; v3(87.1,50.07) v3(89.2,50.07) v3(89.2,50.77) v3(87.1,50.77) v3(87.1,50.07)
  BOT_L12.Sig w0.127: v3(89.2,50.77) v3(88.5,50.77) v3(87.8,50.77) v3(87.1,50.77) ; C80.2 93.6,52.17 R53.1 ; L4.2 v3(89.2,50.07) v3(88.5,50.07) v3(87.8,50.07) v3(87.1,50.07)
  BOT_L12.Sig w0.254: C264.2 33.97,61.8 v2(34.2,61.57) ; C252.2 35.97,61.8 v2(36.2,61.57) ; C246.2 37.44,59.8 v2(37.2,59.57) ; C229.2 38.44,56.34 v2(38.2,56.57) U1.AB7 ; v2(40.2,61.57) 40.44,61.8 C233.2 ; v2(44.2,61.57) 44.44,61.8 C260.2 ; v1(66.9,29.57) 66.68,29.35 C253.1 ; v2(42.2,61.57) 42.44,61.8 C247.2 ; v1(71.9,30.17) 71.99,30.26 C254.1 ; C227.2 40.97,59.8 v2(41.2,59.57) ; C255.1 v1(69.7,30.27) ; C178.2 v2(38.2,61.57)
  BOT_L12.Sig w0.381: C211.1 72,27.1 v3(71.98,27.08) ; v1(67.4,25.57) 67.41,25.56 FB12.1
  BOT_L12.Sig w0.457: v3(71.98,27.08) FB11.1
